# KiCad board Coral Dev Board Micro-PcbDoc.kicad_pcb (continued)
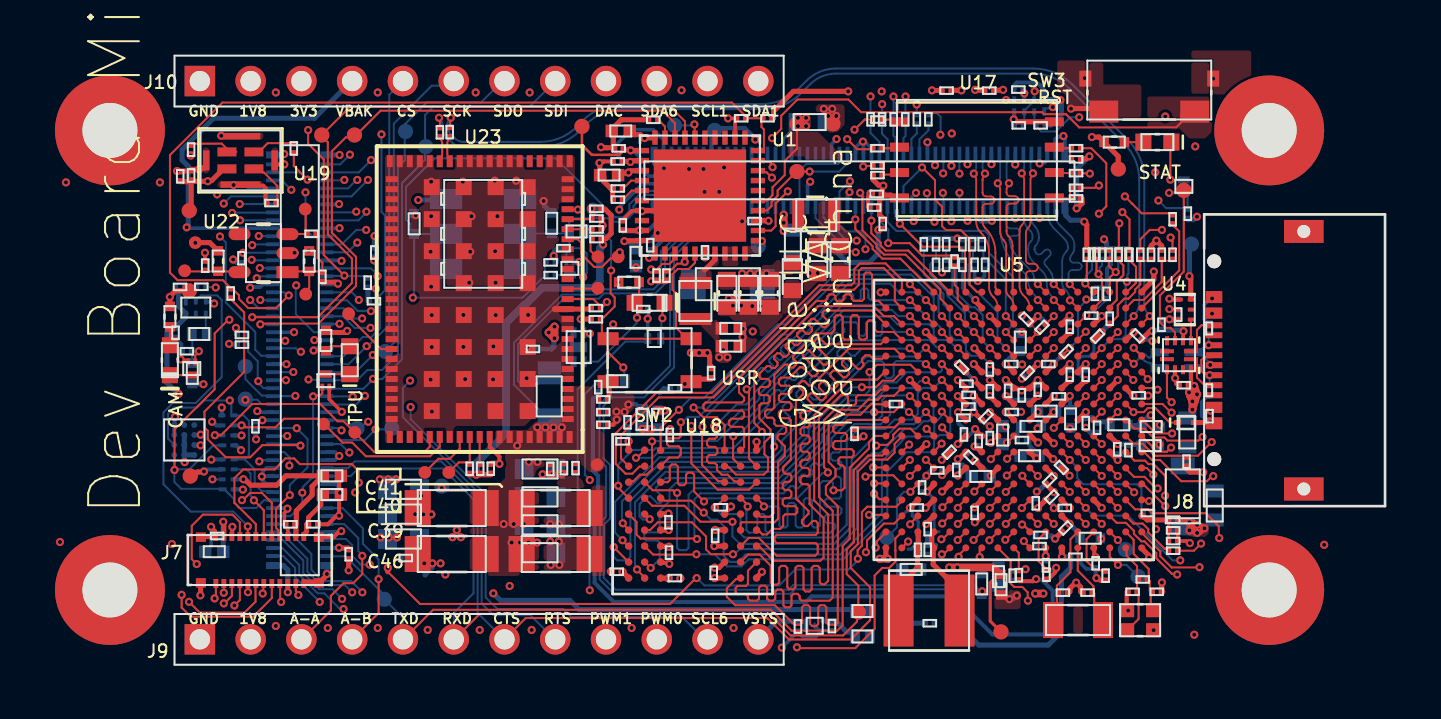
[diagram p0: board, top side]
## Copper pours and planes (outline as drawn; the poured copper is in the pictures) (continued)
(no net) on In3.Cu: 39.42,10.48 39.46,10.45 39.46,8.91 39.52,8.84 39.52,8.79 39.51,8.78 39.49,8.65 39.51,8.52 39.52,8.51 39.52,7.88 39.51,7.85 39.52,7.81 39.52,7.08 39.51,7.05 39.52,7.01 39.52,6.31 39.5,6.24 39.52,6.17 39.52,5.33 39.6,5.24 39.64,5.18 39.7,5.14 39.72,5.12 39.74,5.12 39.86,5.09 39.91,5.1 40.01,5 40.01,4.7 39.92,4.62 38.03,4.62 37.72,4.93 37.72,6.91 37.72,6.91 37.75,7.03 37.72,7.15 37.72,7.15 37.72,7.78 37.73,7.85 37.72,7.91 37.72,8.51 37.74,8.54 37.76,8.65 37.74,8.77 37.72,8.8 37.72,9.38 37.73,9.45 37.72,9.51 37.72,10.18 37.73,10.25 37.72,10.31 37.72,10.51 37.82,10.62 39.28,10.62
(no net) on In3.Cu: 46.59,29.5 46.56,29.46 46.52,29.4 46.47,29.41 46.46,29.48 46.39,29.58 46.29,29.64 46.17,29.67 46.05,29.64 45.95,29.58 45.88,29.48 45.86,29.36 45.88,29.24 45.95,29.14 46.05,29.07 46.17,29.05 46.29,29.07 46.36,29.12 46.41,29.09 46.39,29 46.4,28.9 46.45,28.71 46.49,28.62 46.61,28.46 46.68,28.39 46.85,28.3 46.95,28.26 47.14,28.23 47.24,28.24 47.43,28.29 47.46,28.3 47.5,28.32 47.52,28.33 51.28,28.33 51.3,28.32 51.34,28.3 51.37,28.29 51.56,28.24 51.66,28.23 51.85,28.26 51.95,28.3 52.08,28.37 52.13,28.34 52.13,22.53 52.08,22.53 52.07,22.54 52.01,22.64 51.91,22.71 51.79,22.73 51.67,22.71 51.57,22.64 51.5,22.54 51.48,22.42 51.5,22.3 51.57,22.2
(no net) on In3.Cu: 44.03,13.56 44.03,11.02 43.93,10.91 42.82,10.91 42.52,10.61 42.32,10.61 42.29,10.62 42.26,10.61 40.56,10.61 40.43,10.74 40.43,11.38 40.56,11.5 40.59,11.5 40.69,11.48 40.77,11.5 40.84,11.5 40.97,11.63 40.97,11.66 40.97,11.67 41,11.79 40.97,11.91 40.97,11.92 40.97,13.45 41.17,13.66 42.73,13.66 42.74,13.62 42.8,13.51 42.9,13.45 43.02,13.42 43.14,13.45 43.24,13.51 43.31,13.62 43.32,13.66 43.93,13.66
(no net) on In3.Cu: outline of 99 points within 22.95,0.5 53.63,14.01
(no net) on In4.Cu: 44.66,6 44.69,6 44.71,6 46.77,6 47.16,5.61 47.16,2.79 47.04,2.66 43.77,2.66 43.53,2.9 43.53,2.97 43.55,2.99 43.62,3.09 43.64,3.21 43.68,3.24 43.7,3.24 44.1,3.24 44.23,3.26 44.33,3.33 44.4,3.44 44.43,3.56 44.4,3.69 44.33,3.79 44.23,3.86 44.1,3.89 43.7,3.89 43.58,3.86 43.53,3.89 43.53,5.22 44.31,6
(no net) on In4.Cu: outline of 112 points within 45.88,12.87 52.83,29.27
(no net) on In4.Cu: outline of 108 points within 40.89,5.62 45.23,14.72
(no net) on In4.Cu: outline of 141 points within 11.27,12.51 34.1,29.82
(no net) on In4.Cu: outline of 92 points within 42.84,13.26 50.42,29.05
(no net) on In4.Cu: outline of 144 points within 22.57,2.43 48.15,23.48
(no net) on In4.Cu: 41.12,15.12 41.11,15.05 41.14,14.93 41.2,14.83 41.3,14.76 41.42,14.74 41.54,14.76 41.64,14.83 41.71,14.93 41.73,15.05 41.73,15.06 41.78,15.08 41.91,14.95 41.91,8.23 41.71,8.03 41.66,8.04 41.64,8.07 41.54,8.14 41.42,8.16 41.3,8.14 41.2,8.07 41.14,7.97 41.11,7.85 41.14,7.73 41.2,7.63 41.23,7.61 41.21,7.56 40.36,7.56 40.2,7.71 40.2,9.07 40.21,9.08 40.23,9.16 40.23,9.64 40.21,9.72 40.2,9.74 40.2,10.31 40.11,10.4 40.11,10.41 40.04,10.51 39.94,10.58 39.82,10.6 39.7,10.58 39.64,10.53 39.54,10.53 39.35,10.73 39.35,12.63 39.36,12.67 39.35,12.71 39.35,13.41 39.36,13.45 39.35,13.49 39.35,14.21 39.36,14.25 39.35,14.29 39.35,15.01 39.36,15.05 39.35,15.09 39.35,15.12 39.39,15.16 41.09,15.16
(no net) on In5.Cu: 33.97,27.82 33.97,27.35 33.84,27.22 32.86,27.22 32.72,27.36 32.72,27.74 33.04,28.06 33.73,28.06
(no net) on In5.Cu: 52.41,19.62 52.43,19.62 52.79,19.26 52.79,18.59 52.74,18.57 52.66,18.62 52.54,18.64 52.42,18.62 52.32,18.55 52.26,18.45 52.23,18.33 52.26,18.21 52.32,18.11 52.42,18.04 52.54,18.02 52.66,18.04 52.74,18.1 52.79,18.07 52.79,15.1 52.74,15.09 52.73,15.12 52.67,15.22 52.57,15.29 52.45,15.31 52.33,15.29 52.23,15.22 52.16,15.12 52.14,15 52.16,14.89 52.23,14.78 52.23,14.78 52.23,14.73 52.2,14.71 52.13,14.61 52.11,14.49 52.13,14.37 52.2,14.27 52.3,14.2 52.42,14.18 52.54,14.2 52.64,14.27 52.71,14.37 52.73,14.49 52.71,14.61 52.64,14.71 52.64,14.71 52.64,14.76 52.67,14.78 52.73,14.89 52.74,14.92 52.79,14.91 52.79,12.63 52.6,12.44 52.5,12.44 52.47,12.44 52.44,12.44 51.51,12.44 50.82,13.12 50.83,13.14 50.82,13.17 50.82,14.06 50.91,14.12 50.98,14.22 51.01,14.34 50.98,14.46 50.91,14.56 50.82,14.63 50.82,16.93 50.9,17.01 50.94,17.07 50.95,17.14 50.95,19.53 51.1,19.68 52.33,19.68
(no net) on In6.Cu: -6.1,23.74 -0.1,23.74 -0.1,6.74 -6.1,6.74
ADC_1V8_IN on In3.Cu: 47.29,13.78 47.45,13.94 48.59,13.94 48.74,13.78 48.74,13.04 48.56,12.86 48.56,7.88 48.04,7.36 45.89,7.36 45.73,7.52 45.73,7.98 45.55,8.16 44.23,8.16 44.12,8.27 44.12,9.29 44.47,9.64 44.77,9.64 44.97,9.45 45.23,9.19 47.14,9.19 47.29,9.34
BUCK2_SW on Top: 32.15,23.36 32.23,23.28 32.23,21.58 31.44,20.8 31.01,20.8 30.43,20.21 29.05,20.21 29.03,20.24 29.03,20.92 29.05,20.95 30.22,20.95 30.71,21.43 31.27,21.43 31.47,21.63 31.47,23.28 31.54,23.36
BUCK3_SW on Top: 27.83,20.94 27.86,20.92 27.86,20.06 27.5,19.7 27.5,18.81 25.89,18.81 25.89,19.49 26.03,19.63 26.44,19.63 26.92,20.11 27.33,20.11 27.48,20.26 27.48,20.89 27.53,20.94
DCDC_1V8_OUT on In3.Cu: 41.49,3.49 41.58,3.57 41.58,5.07 41.92,5.42 41.92,9.76 41.7,9.98 39.75,9.98 39.62,9.85 39.62,9.06 39.7,8.98 39.85,8.98 40.13,8.7 40.13,3.59 40.23,3.49
DCDC_1V8_OUT on In4.Cu: 33.29,26.91 33.91,27.53 33.91,28.8 34.21,29.1 43.51,29.1 46.17,26.44 50.42,22.2 50.42,11.07 50.19,10.84 49.73,10.84 48.13,12.44 48.13,15.05 47.82,15.36 38.86,15.36 38.71,15.21 38.71,10.96 40.03,9.64 40.03,9.16 39.72,8.86 36.62,8.86 33.29,12.19
DCDC_1V8_OUT_SENSE on Bottom: 43.33,9.07 43.43,8.97 43.43,7.5 43.28,7.35 42.92,7.35 42.78,7.21 42.78,4.65 42.67,4.54 41.56,4.54 41.26,4.23 40.66,4.23 40.53,4.36 40.53,5.68 40.94,6.09 40.94,9.05 40.98,9.09 40.98,9.67 41.09,9.78 42.39,9.78 42.58,9.59 42.58,9.12 42.63,9.07
DCDC_PSWITCH on Bottom: 36.79,5.85 36.92,5.72 37.92,5.72 37.98,5.78 37.98,7.38 37.7,7.66 37.7,8.01 37.6,8.11 37.11,8.11 37.03,8.03 37.03,7.46 36.79,7.21
MCM_3V3 on Top: 17.17,9.34 16.77,8.94 15.48,8.94 15.4,8.86 15.4,4.55 15.51,4.44 18.7,4.44 18.87,4.61 18.87,9.7 19.12,9.95 21.07,9.95 21.38,9.63 21.93,9.63 22.17,9.87 22.17,11.5 21.95,11.71 21.95,13.44 21.46,13.94 19.83,13.94 19.74,13.85 19.74,12.59 19.33,12.17 18.7,12.17 18.28,11.75 16.76,11.75 16.68,11.68 16.68,10.91 16.82,10.77 17.01,10.77 17.17,10.62
MCM_3V3 on Bottom: 17.52,11.12 17.17,10.76 17.17,5.4 17.78,4.79 18.72,4.79 18.89,4.97 18.89,10.53 19,10.64 20.1,10.64 20.25,10.79 20.25,11.73 20.25,12.68 19.96,12.97 18.77,12.97 17.52,11.73
MCM_3V3 on In3.Cu: 18.86,15.06 18.86,15.57 18.93,15.64 19.16,15.64 19.5,15.3 19.8,15.29 19.81,15.28 20.05,15.28 20.23,15.11 20.23,11.07 19.91,10.75 17.67,10.75 17.57,10.85 17.57,11.17 18.47,12.07 18.47,13.49 18.49,13.49 18.86,13.86 18.86,15.05
MCM_3V3 on In3.Cu: 46.53,16.35 46.72,16.16 48.63,16.16 48.79,16.32 48.79,16.81 46.64,18.96 38.72,18.96 38.55,18.79 38.55,17.19 38.71,17.04 46.25,17.04 46.53,16.76
MCM_3V3_SENSE on Bottom: 18.98,15.47 18.58,15.07 18.58,14.12 18.77,13.94 19.99,13.94 20.8,14.75 20.8,15.47
MCU_DCDC_IN on Bottom: 37.77,5.58 37.72,5.53 37.72,5.28 37.59,5.15 37.59,4.41 37.82,4.18 39.95,4.18 40.15,4.39 40.15,5.08 40.1,5.13 39.78,5.13 39.76,5.15 38.88,5.15 38.78,5.25 38.78,5.43 38.63,5.58
MCU_DCDC_IN on In3.Cu: 39.89,5.12 40.01,5 40.01,4.7 39.92,4.62 38.03,4.62 37.72,4.93 37.72,10.51 37.82,10.62 39.28,10.62 39.42,10.48 39.46,10.45 39.46,8.91 39.52,8.84 39.52,5.33 39.72,5.12
NetC57_1 on Bottom: 41.26,10.17 41.36,10.06 41.92,10.06 41.98,10.13 41.98,10.44 42.17,10.64 42.44,10.64 42.6,10.47 42.6,10.13 42.68,10.05 43.29,10.05 43.3,10.06 43.3,10.74 43.25,10.79 43.13,10.79 43,10.91 43,11.52 43.05,11.57 43.25,11.57 43.33,11.65 43.33,12.13 43.25,12.21 42.74,12.21 42.69,12.16 42.69,11.63 42.57,11.5 41.86,11.5 41.65,11.3 41.33,11.3 41.26,11.22
POR_B on Top: 50.9,26.84 51.4,26.34 52.2,26.34 52.6,26.74 52.6,28.44 49.3,28.44 49.3,26.94 49.4,26.84
QSPI_1V8 on In2.Cu: 35.66,22.59 36.91,21.34 37.66,21.34 37.67,21.32 44.88,21.32 46.09,22.54 46.09,22.98 45.87,23.2 44.86,23.2 44.31,22.65 37.44,22.65 36.6,23.49 36.6,23.97 36.36,24.2 35.83,24.2 35.66,24.03
RT_DCDC_MODE on Bottom: 38.72,9.14 38.48,8.9 37.92,8.9 37.85,8.83 37.85,8.27 37.94,8.18 38.39,8.18 38.54,8.03 38.54,6.93 38.48,6.86 38.22,6.86 38.13,6.77 38.13,5.92 38.21,5.85 40.29,5.85 40.43,5.99 40.43,8.73 40.43,8.74 40.43,8.94 40.23,9.14
SDRAM_1V8 on Bottom: 23.12,10.98 23.07,11.03 23.07,12.02 23.12,12.07 23.62,12.07 23.76,12.21 24.96,12.21 25.07,12.11 25.07,11.61 24.99,11.54 24.39,11.54 24.33,11.47 23.77,11.47 23.61,11.31 23.61,11.03 23.55,10.98
SDRAM_1V8 on In3.Cu: 23.34,12.25 25.38,12.25 26.07,11.56 28.06,11.56 28.27,11.36 28.27,4.92 28.06,4.72 27.94,4.6 27.47,4.13 23.19,4.13 22.32,5 22.32,11.23
VSYS on Top: 51.3,7.33 52.17,7.33 52.37,7.13 52.37,6.57 52.19,6.39 51.43,6.39 51.2,6.62 51.2,7.23
VSYS on Bottom: 25.78,18.02 25.78,15.41 25.9,15.28 27.43,15.28 27.5,15.36 27.5,17.77 27.86,18.13 27.86,19.19 29.1,20.44 29.1,22.43 29.19,22.52 29.92,22.52 29.97,22.57 29.97,23.28 29.89,23.36 27.5,23.36 27.36,23.22 27.36,21.82 25.75,20.21 25.75,18.05
VSYS on Bottom: 11.46,5.04 12.1,5.04 12.1,5.87 12,5.97 12,9.28 11.78,9.49 10.59,9.49 10.38,9.29 10.38,6.11
VSYS on Bottom: 53.26,6.77 53.13,6.65 52.71,6.65 52.45,6.39 50.39,6.39 50.31,6.47 50.32,7.42 50.6,7.7 53.17,7.7 53.26,7.61
VSYS on In2.Cu: 51.3,7.33 52.17,7.33 52.37,7.13 52.37,6.57 52.19,6.39 51.43,6.39 51.2,6.62 51.2,7.23
VSYS on In3.Cu: 51.01,7.5 52.66,7.5 53.63,6.52 53.63,2.01 51.89,0.27 13.06,0.27 12.53,0.81 12.53,3.62 11.96,4.2 11.96,4.96 10.65,6.27 10.64,9.07 10.64,9.43 11.05,9.84 15.2,9.84 15.94,9.09 21.87,9.09 22.03,8.93 22.03,5.09 23.21,3.9 27.73,3.9 28.06,4.23 28.09,4.23 28.8,4.95 28.8,11.59 28.51,11.88 28.14,11.88 26.44,13.58 26.44,15.16 26.29,15.31 26.29,15.79 26.53,16.03 29.9,16.03 31.9,14.04 31.9,4.7 33.99,2.61 45.89,2.61 46.12,2.61
VSYS_DA on Top: 27.71,18.92 27.86,18.76 30.88,18.76 30.88,19.27 31.11,19.5 31.52,19.5 31.7,19.68 32,19.68 32.05,19.73 32.05,20.52 31.97,20.59 31.11,20.59 30.53,20.01 28.97,20.01 28.82,20.16 28.82,20.91 28.79,20.93 28.04,20.93 28.04,19.96 27.71,19.63
VSYS_DA on Bottom: 28.95,19.98 28.8,19.83 28.8,19.13 29.33,18.59 29.33,18.31 29.41,18.23 30.65,18.23 30.73,18.31 30.73,19.91 30.65,19.98
VUSB on Bottom: 50.82,12.01 50.87,11.96 51.79,11.96 51.84,12.01 51.84,13.2 51.99,13.35 51.99,14.09 51.89,14.19 50.97,14.19 50.82,14.04
VUSB on In3.Cu: 52.5,12.41 53.03,12.95 53.03,19.04 52.65,19.42 51.35,19.42 51.18,19.25 51.18,17.37 50.92,17.11 50.92,12.54 51.05,12.41
VUSB on In5.Cu: 50.82,19.4 51.1,19.68 52.37,19.68 53.13,18.92 53.13,12.97 52.6,12.44 51.51,12.44 50.82,13.12
VUSB_R on Bottom: 50.36,8.97 51.09,8.25 53.16,8.25 53.26,8.35 53.26,9.19 53.13,9.31 52.12,9.31 51.81,9.62 51.81,11.22 51.74,11.3 50.82,11.3 50.36,10.84

Small or netless copper shapes (teardrops, artwork), in the pictures only: 64 on Top, 4 on Bottom, 2 on In2.Cu, 2 on In5.Cu

## Text on the board
B.Silkscreen: L7 | U6 | R12 | U3 | J5 | C45 | C26 | C38 | C87 | SW1 | C44 | C91 | C43 | C42 | D6 | J6 | R39 | Q2 | R1 | R2 | U2 | D2 | D3 | U21 | R22 | Q4 | C18 | R3 | C21 | D4 | R8 | Q10 | R15 | ?
F.Silkscreen: GND | 1V8 | 3V3 | A-A | VBAK | A-B | TXD | CS | SCK | RXD | SDO | CTS | SDI | RTS | PWM1 | DAC | SDA6 | PWM0 | SCL1 | SCL6 | SDA1 | VSYS | J10 | J9 | J7 | U22 | U19 | C41 | C40 | C39 | C46 | U23 | SW2 | U18 | U1 | U17 | U5 | SW3 | U4 | J8 | CAM | TPU | USR | RST | STAT | Google LLC | Model: VA1 | Made in China | Dev Board Micro
